# KiCad board sdi-fiber-adapter.kicad_pcb (continued)
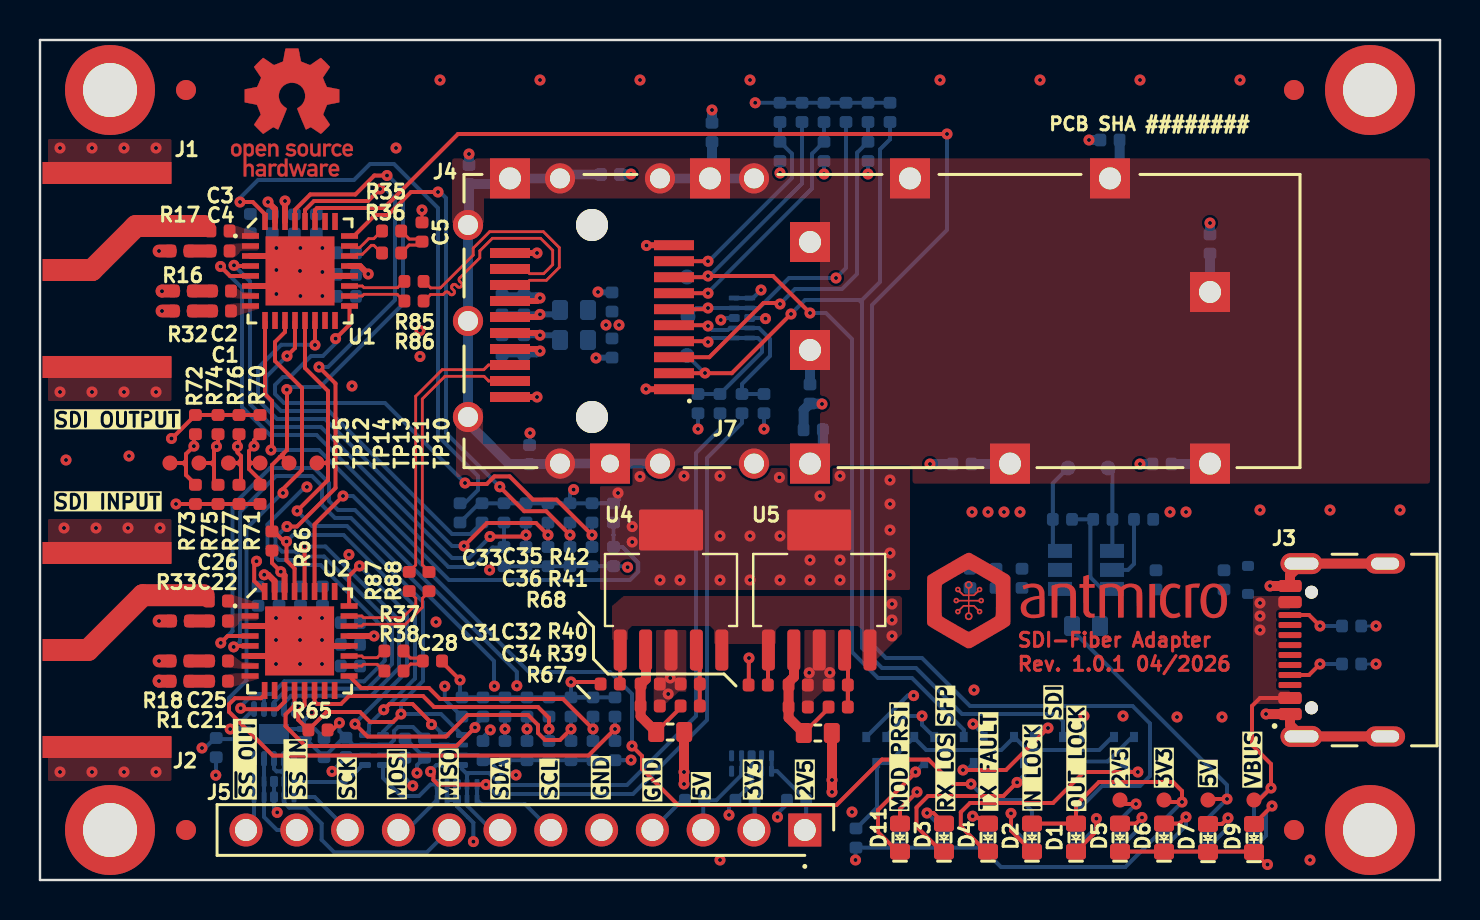
[diagram p0: board, top side]
## Routing (per net, layer and track width the routed paths; a pad name or vN(x,y) marks a point on that pad's centre or on a via; arc(x,y) is an arc through that point) (continued)
/SDI/RD_C+: length 3.3
  Top w0.14: 15.76,29.7 U1.19 16.11,29.7 16.2,29.61 17.88,29.61 18.19,29.93 R85.1 ; 18.15,29.95 18.15,29.8
/SDI/RD_C-: length 3.3
  Top w0.14: R86.1 18.19,28.95 17.86,29.28 16.2,29.28 16.11,29.2 U1.18 15.76,29.2 ; 18.15,28.95 18.15,29.09
/SDI/SCL_SCK_2V5: length 52.4
  Top w0.2: 12.1,21.25 11.99,21.14 ; 12.1,21.25 12.1,21.2 12.5,20.8 ; 12.1,21.25 12.35,21.5 12.35,24.51 v1(12.34,24.52) ; 11.99,21.14 12.16,21.14 TP11.1 12.15,21.15 12.15,21.3 ; 11.99,21.14 11.6,20.75 R66.1 11.69,17.43 12.2,16.92 v1(12.33,16.92) 12.33,15.97 12.73,15.57 U2.29 ; U1.29 12.75,33.51 13.51,34.28 15.77,34.28 16.72,35.22 v1(17.35,35.22) ; v1(19.57,7.78) 19.57,7.85 18.62,8.8 17.47,8.8 v1(17.19,8.51)
  Bottom w0.2: v1(19.57,7.78) 19.65,7.78 20.18,7.25 U11.4 ; v1(12.33,16.92) 12.65,17.25 15.17,17.25 18.75,13.67 18.75,10.08 v1(17.19,8.51) 16.45,7.78 16.45,7.45 U8.4 ; v1(12.34,24.52) 12.42,24.52 12.55,24.65 14,24.65 18.15,28.8 18.15,34.47 17.4,35.22 v1(17.35,35.22)
/SDI/SDA_MOSI_2V5: length 38.5
  Top w0.2: R65.1 12.91,8.01 12.91,8.42 13.23,8.74 U2.13 ; R65.1 14.32,8.4 16,8.4 16.5,7.9 17.65,7.9 v1(18.05,8.3) ; R65.1 13.42,7.56 ; U1.13 13.25,25.6 14.4,24.45 14.4,20.98 ; 14.4,20.98 14.4,20.96 14.29,20.85 ; 14.4,20.98 14.4,20.45 ; 14.4,20.45 14.4,20.75 14.3,20.85 14.29,20.85 ; 14.4,20.45 14.4,20 v1(12.86,18.46) ; 14.29,20.85 14,20.85
  Bottom w0.2: U11.5 20.05,8.3 v1(18.05,8.3) ; v1(18.05,8.3) 17.15,7.4 U8.5 ; v1(18.05,8.3) 18.05,8.85 19.15,9.95 19.15,13.9 15.35,17.7 13.6,17.7 12.86,18.44 v1(12.86,18.46)
/SDI/SDI0_IO+: length 8.3
  Top w1.1: J2.1 2.4,11.5 5.14,14.24 8.18,14.24
/SDI/SDI0_IO-: length 0.9
  Top w0.64: R33.2 C26.1
/SDI/SDI0_OUT+: length 1
  Top w0.64: C21.1 R1.2
/SDI/SDI0_OUT-: length 1
  Top w0.64: R18.2 C25.1
/SDI/SDI1_IO+: length 8.1
  Top w1.1: 8.2,32.7 4.8,32.7 2.6,30.5 J1.1
/SDI/SDI1_IO-: length 1
  Top w0.64: R17.2 C4.1
/SDI/SDI1_IO_C-: length 0
  Top w0.3: 9.48,31.42 9.5,31.45
/SDI/SDI1_OUT+: length 0.9
  Top w0.64: C1.1 R16.2
/SDI/SDI1_OUT-: length 0.9
  Top w0.64: R32.2 C2.1
/SDI/SDI_OUT_SEL0: length 14.7
  Top w0.2: v1(25.45,7.55) 25.45,8.1 24.9,8.65 19.7,8.65 19.15,9.2 15.45,9.2 15.05,8.8 13.85,8.8 13.73,8.92 U2.14
  Bottom w0.2: R25.2 v1(25.45,7.55) R24.1
/SDI/SDI_OUT_SEL1: length 25.6
  Top w0.2: v1(21.2,16.7) 22.35,17.85 24.8,17.85 v1(25.4,17.25) ; U1.14 13.75,26.9 13.75,26.9 v1(13.75,26.75)
  Bottom w0.2: R11.2 v1(25.4,17.25) R4.1 ; v1(13.75,26.75) 13.74,26.76 12.06,26.76 10.9,25.6 10.9,24 11.85,23.05 14.25,23.05 20.6,16.7 v1(21.2,16.7)
/SDI/SDI_VOD0: length 25.9
  Top w0.2: v1(15.97,15.7) 15.95,15.7 15.46,15.21 U2.24 ; v1(15.75,7.8) 16.38,7.17 20.3,7.17 21.38,8.25 24.4,8.25 24.9,7.75 24.9,7.35 25.25,7 26,7 v1(26.55,7.55)
  Bottom w0.2: v1(15.75,7.8) 15.75,7.84 18.35,10.44 18.35,13.33 v1(15.97,15.7) ; R26.1 v1(26.55,7.55) R27.2
/SDI/SDI_VOD1: length 27.1
  Top w0.2: v1(26.5,17.25) 25.31,18.44 24.21,18.44 v1(22.99,19.66) ; U1.24 15.7,32.2 16.75,33.25 17.4,33.25 18.55,34.4 v1(19.9,34.4)
  Bottom w0.2: R5.1 v1(26.5,17.25) R12.2 ; v1(19.9,34.4) 20,34.4 20.3,34.1 20.3,22.35 v1(22.99,19.66)
/SDI/SPI.MISO: length 13.8
  Bottom w0.2: 12.19,5.43 12.19,5.32 ; 12.19,5.43 12.19,5.57 ; 12.19,5.43 12.09,5.43 ; 12.19,5.32 12.09,5.42 12.09,5.43 ; 12.19,5.32 12.19,4.16 U10.2 12.2,3.88 12.46,3.61 13.29,3.61 14.08,2.82 14.08,2.01 14.71,1.38 19.34,1.38 J5.8 ; 12.19,5.57 12.19,5.53 12.09,5.43 ; 12.19,5.57 U7.10 12.19,6.05 ; U7.11 11.7,5.56 11.83,5.43 12.09,5.43
/SDI/SPI.MOSI: length 7.4
  Bottom w0.2: 16.95,5.75 17.05,5.75 ; U8.8 17.15,5.1 18.05,4.2 18.95,4.2 19.52,4.77 U9.6 U9.5 18.35,2.5 J5.9
/SDI/SPI.SCK: length 8
  Bottom w0.2: J5.10 13.73,4.15 12.7,4.15 U10.1 12.7,4.92 12.72,4.9 15.28,4.9 16.13,5.75 U8.1
/SDI/SPI.~{SS0}: length 5.6
  Bottom w0.2: J5.11 11.85,2.5 11.2,3.15 U10.4 11.2,4.92 11.2,4.93 U7.12 ; 12.7,3.04 13.24,2.5
/SDI/SPI.~{SS1}: length 3.5
  Bottom w0.2: U10.5 10.7,4.16 U7.13 ; J5.12 10.7,2.9 10.7,3.96
/SDI/TD_C+: length 4.4
  Top w0.14: U2.23 16.09,13.2 16.18,13.12 18.13,13.12 18.79,13.77 18.79,14.08 18.46,14.42 R87.1
/SDI/TD_C-: length 5
  Top w0.14: U2.22 16.09,12.7 16.18,12.79 18.27,12.79 19.12,13.64 19.12,14.08 19.45,14.42 R88.1
/SDI/~{LOCK0}: length 51
  Top w0.2: v1(46.55,4.8) 45.65,4.8 44.43,6.03 42.1,6.03 39.82,3.75 31.9,3.75 30.1,5.55 30.1,6.2 v1(29.6,6.7) ; U2.27 13.73,17.78 v1(15.15,19.2)
  Bottom w0.2: v1(15.15,19.2) 15.65,19.2 24.45,10.4 28.5,10.4 29.6,9.3 v1(29.6,6.7) ; v1(46.55,4.8) 47.35,4 49.05,4 49.6,3.45 R34.1
/SDI/~{LOCK1}: length 84.2
  Top w0.2: v1(45.35,37.3) 20.9,37.3 17.2,33.6 13.85,33.6 13.75,33.5 U1.27
  Bottom w0.2: R15.1 51.8,3.4 53.1,4.7 55,4.7 55.5,5.2 55.5,7.83 54.62,8.7 46.5,8.7 44.1,11.1 42.3,11.1 41.6,11.8 41.6,28.75 45.35,32.5 v1(45.35,37.3)
Net-(C5-Pad2): length 2.5
  Top w0.15: R35.2 18.46,32.05 18.97,32.05 C5.2 18.93,31.75 18.46,31.75 R36.2
Net-(C28-Pad2): length 2.4
  Top w0.15: R37.2 18.18,11.44 18.52,11.1 19.03,11.1 19.18,10.95 19.12,10.95 18.97,10.8 18.53,10.8 R38.2
Net-(D1-C): length 3.9
  Top w0.2: D1.1 52.82,2.44 v1(52.82,3.07)
  Bottom w0.2: R15.2 52.82,2.64 v1(52.82,3.07)
Net-(D2-C): length 4.5
  Top w0.2: v1(48.55,3.33) 48.55,2.47 D2.1
  Bottom w0.2: R34.2 48.55,2.67 v1(48.55,3.33)
Net-(D3-A): length 2.2
  Top w0.2: D3.2 44.67,3.35 v1(44.35,3.35)
  Bottom w0.2: R48.1 45.12,2.58 v1(44.35,3.35)
Net-(D3-C): length 9.5
  Top w0.2: D3.1 45.08,1.42 43.82,2.67 43.82,3.62 44.4,4.2 48.17,4.2 v1(48.85,4.88)
  Bottom w0.2: 49.21,5.85 49.21,5.24 v1(48.85,4.88)
Net-(D4-A): length 1.9
  Top w0.2: v1(46.63,3.19) 46.81,3.19 46.9,3.1 47.12,3.1 D4.2
  Bottom w0.2: v1(46.63,3.19) 46.67,3.15 46.85,3.15 47.4,2.6
Net-(D4-C): length 13.2
  Top w0.2: D4.1 47.3,1.42 46.04,2.68 46.04,3.39 46.5,3.85 50.65,3.85 52.2,5.4 v1(54.89,5.4)
  Bottom w0.2: 54.11,5.85 54.11,5.84 54.55,5.4 v1(54.89,5.4)
Net-(D5-A): length 3.2
  Top w0.2: v1(55.1,3.12) 54.79,2.82 D5.2
  Bottom w0.2: v1(55.1,3.12) 55.1,2.72 R50.1
Net-(D6-A): length 3.2
  Top w0.2: D6.2 56.97,2.82 v1(57.3,3.15)
  Bottom w0.2: v1(57.3,3.15) 57.3,2.72 R61.1
Net-(D7-A): length 3
  Top w0.2: D7.2 59.1,2.8 v1(59.4,3.1)
  Bottom w0.2: v1(59.4,3.1) 59.4,2.62 R47.1
Net-(D9-A): length 3.7
  Top w0.2: v1(61.6,3.7) D9.2
  Bottom w0.2: R64.1 61.3,2.22 61.3,3.4 v1(61.6,3.7)
Net-(D11-A): length 3.8
  Top w0.2: 43,3.12 43,3.55 v1(43.85,4.4)
  Bottom w0.2: v1(43.85,4.4) 43,3.55 R80.1
Net-(D11-C): length 5.9
  Top w0.2: v1(43.78,5.4) 43.78,5.38 41.9,3.5 41.9,2.4 42.88,1.42 ; 43.18,1.42 43.3,1.42
  Bottom w0.2: v1(43.78,5.4) 43.9,5.53 43.9,5.54 Q3.3
Net-(J3-CC_{1}): length 2.8
  Top w0.2: J3.A5 63.45,10.25 v1(64,10.8)
  Bottom w0.2: R43.2 v1(64,10.8)
Net-(J3-CC_{2}): length 2.9
  Top w0.2: v1(64,12.7) 63.45,13.25 J3.B5
  Bottom w0.2: 65.1,12.6 65,12.7 v1(64,12.7)
Net-(J7-V_{CC}(R)): length 4.6
  Top w0.3: v1(25,28.28) 24.87,28.15 J7.15
  Bottom w0.3: L1.2 25.72,28.22 ; C37.2 v1(25,28.28) 25.72,28.28
Net-(J7-V_{CC}(T)): length 4.7
  Top w0.3: 23.55,27.4 J7.16 24.89,27.35 v1(25,27.24) ; 24.93,27.35 25,27.28
  Bottom w0.3: C55.2 v1(25,27.24) 25.82,27.24 ; L2.2 25.82,27.18
Net-(Q1-D): length 6.7
  Top w0.2: v1(46.15,5.5) 48.3,5.5 v1(50.4,7.6)
  Bottom w0.2: v1(50.4,7.6) 50.06,7.6 49.7,7.24 Q6.2 ; v1(46.15,5.5) 46.34,5.5 Q1.3
Net-(Q2-D): length 3.4
  Bottom w0.2: 54.61,7.15 53.39,5.93 51.78,5.93 51.7,5.85
Net-(U1-VDD_LDO): length 1.1
  Top w0.3: v1(11.4,33.9) 11.75,33.55 11.75,32.93
Net-(U2-VDD_LDO): length 1.2
  Top w0.3: v1(11.21,15.26) 11.42,15.26 11.73,14.94 U2.31
Net-(U4-FB): length 2.9
  Top w0.2: R39.1 32.99,11.33 U4.4
Net-(U5-FB): length 3.7
  Top w0.2: U5.4 40.4,11.33 40.4,9 ; R41.1 R42.2

## Copper pours and planes (outline as drawn; the poured copper is in the pictures)
+2V5 on Bottom: 15.5,31.5 15.5,28.98 15.86,28.98 16.5,29.65 16.5,30.9 15.92,31.5
+2V5 on Bottom: 15.61,13.16 15.61,10.48 15.91,10.48 16.9,11.51 16.9,12.34 16.11,13.16
+2V5 on Bottom: 12,34.2 12,33.8 12.2,33.6 12.2,33 14.2,33 14.2,33.7 13,33.7 12.6,34.2
+2V5 on Bottom: 12.12,15.6 12.12,15.22 12.53,14.85 12.53,14.4 14.53,14.4 14.53,15.1 13.05,15.1 12.55,15.6
+3V3 on Bottom: 28.92,28.72 27.55,28.72 27.55,26.78 28.92,26.78 28.92,27.25 29.2,27.5 29.2,28 28.92,28.25
+5V on Top: 43.1,14.1 43.1,12.3 41.7,10.9 41.7,10.8 41.1,10.8 41.1,12.5 40.9,12.7 37,12.7 36.8,12.5 36.8,11.8 33.7,11.8 33.7,12.5 33.5,12.7 29.6,12.7 29.4,12.5 29.4,12 28.6,12 28.6,13.7 29.18,14.2 43,14.2
+5V on Bottom: 50.2,13.2 44.1,13.2 43.8,12.9 43.8,11.8 42.1,11.8 42.1,14.1 42.9,14.9 52,14.9 52,12.2 51.2,12.2
GND on Top: 28,20.6 28,14.5 43.5,14.5 43.5,20.6
GND on Top: 38.69,8.49 38.69,9.02 39.14,9.42 39.73,9.43 39.73,12.5 38.22,12.5 38.22,9.8 38.1,9.6 38.1,8.49
GND on Top: 31.28,8.47 31.28,8.8 31.94,9.42 32.31,9.4 32.31,12.5 30.8,12.5 30.8,9.8 30.69,9.6 30.69,8.47
GND on Top, Bottom: 0.12,18.05 6.57,18.05 6.57,15.8 0.12,15.8
GND on Top, Bottom: 0.12,7.2 6.57,7.2 6.57,4.95 0.12,4.95
GND on Top, Bottom: 0.12,37.05 6.57,37.05 6.57,34.8 0.12,34.8
GND on Top, Bottom: 0.12,26.2 6.57,26.2 6.57,23.95 0.12,23.95
GND on Bottom: 55.3,18.7 55.3,15.1 60.8,15.1 61.9,14 64.1,14 64.1,16.3 58.7,16.3 57.6,17.4 57.6,18.7
GND on Bottom: 49.5,18.8 49.5,16.6 50.3,15.85 51.6,15.85 51.6,15.15 46.1,15.15 46.1,18.8
GND on Bottom: 10.1,32.7 15.3,32.7 15.32,28.2 10.9,28.2 10.9,30.9 10.1,31.4
GND on Bottom: 10.62,14.1 15.4,14.1 15.42,9.6 11,9.6 11,12.7 10.62,12.93
GND on In1.Cu: 70,42 70,0 0,0 0,4.5 11.25,4.5 11.25,18.25 0,18.25 0,23.75 11.25,23.75 11.25,37.5 0,37.5 0,42
GND on In2.Cu: 70,42 70,0 0,0 0,26.25 2.93,26.25 2.93,34.75 0,34.75 0,42
/Fiber/SH on Top: 20.6,36.08 69.5,36.08 69.5,19.82 20.8,19.82 20.8,23.6 22.15,23.6 22.15,21.8 39,21.8 39,34.08 22.2,34.08 22.2,32.8 20.6,32.8
/Power/USBC_VBUS on Top: 62.5,8.8 60.65,8.8 60.65,14.2 62.1,14.2 62.5,14.2
/Power/USBC_VBUS on Bottom: 54.2,13.1 53.4,12.2 52.6,12.2 52.6,14.9 60.7,14.9 61.7,13.9 61.7,12.1 60.2,12.1 60.2,12.8 59.9,13.1
/SDI/SDI0_IO_C+ on Top: 10.93,13.84 9.59,14.27 9.17,14.27 9.17,13.63 10.08,13.56 10.93,13.56
/SDI/SDI0_IO_C- on Top: 10.08,13.34 9.17,13.28 9.17,12.59 9.7,12.6 10.1,12.9 10.93,12.9 10.93,13.34
/SDI/SDI0_OUT_C+ on Top: 9.79,10.34 9.24,10.27 9.24,9.63 9.56,9.63 10.93,10.06 10.93,10.34
/SDI/SDI0_OUT_C- on Top: 10.93,10.56 10.08,10.56 9.24,10.63 9.24,11.27 9.58,11.27 10.07,10.91 10.93,10.84
/SDI/SDI1_IO_C+ on Top: 10.95,32.34 9.61,32.77 9.19,32.77 9.19,32.13 10.1,32.06 10.95,32.06
/SDI/SDI1_IO_C- on Top: 10.1,31.84 9.19,31.78 9.19,31.14 9.75,31.14 10.1,31.45 10.95,31.45 10.95,31.84
/SDI/SDI1_OUT_C+ on Top: 9.81,28.84 9.26,28.77 9.26,28.13 9.58,28.13 10.95,28.56 10.95,28.84
/SDI/SDI1_OUT_C- on Top: 10.95,29.06 10.1,29.06 9.26,29.13 9.26,29.77 9.6,29.77 10.09,29.41 10.95,29.34
Net-(U1-VDD_LDO) on Bottom: 11.6,34.2 11.7,34.1 11.7,33.9 11.94,33.59 11.94,33 10.2,33 10.2,33.5 10.4,33.7 10.8,33.7 11.2,34.2
Net-(U2-VDD_LDO) on Bottom: 11.38,15.6 11.71,14.97 12.28,14.97 12.27,14.41 10.53,14.4 10.53,15.1 10.8,15.1 11.2,15.6

## Text on the board
B.Silkscreen: OUT | IN | ENABLE | MODE_SEL | EQCD_SEL | OUT0_SEL | SDI_OU_SL | SDI_VOD | OUT_CTRL | HOST_EQ0
Top: Rev. 1.0.1 04/2026 | SDI-Fiber Adapter
F.Mask: Rev. 1.0.1 04/2026 | SDI-Fiber Adapter
F.Silkscreen: PCB SHA ######## | SDI INPUT | SDI OUTPUT | ~{SS} OUT | ~{SS} IN | SCK | MOSI | MISO | SDA | SCL | GND | 5V | 3V3 | 2V5 | MOD PRST | SFP | RX LOS | TX FAULT | IN LOCK | SDI | OUT LOCK | VBUS
